# Altium PCB Avalon_BP.PcbDoc
Units mil, origin at the board's own origin, x right, y up, seen from the top; angles counter-clockwise.
Board outline 12510.61 x 1710.61 mil, 2 copper layers (Top Layer, Bottom Layer); 17 components, 36 nets, 221 pads, 68 vias.
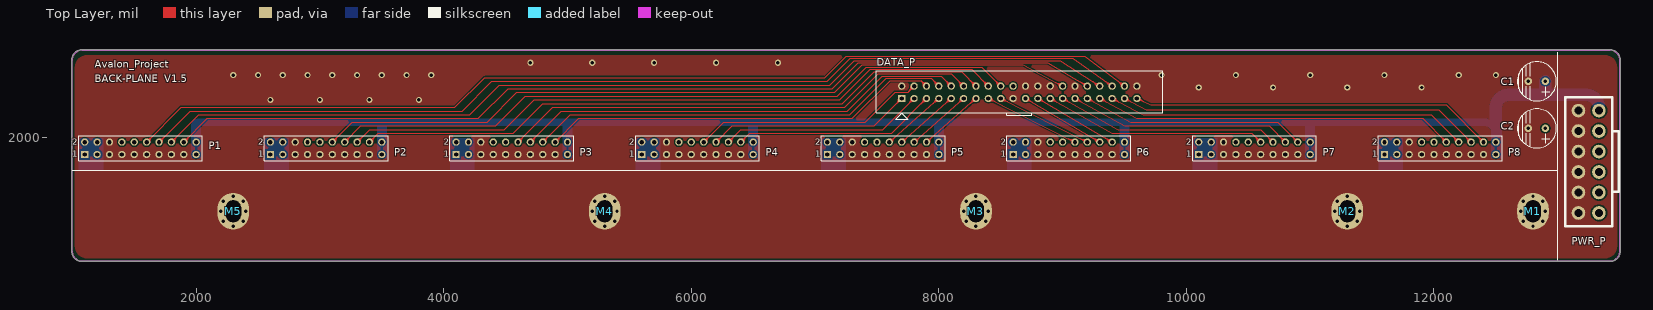
[diagram p0: Top Layer view]
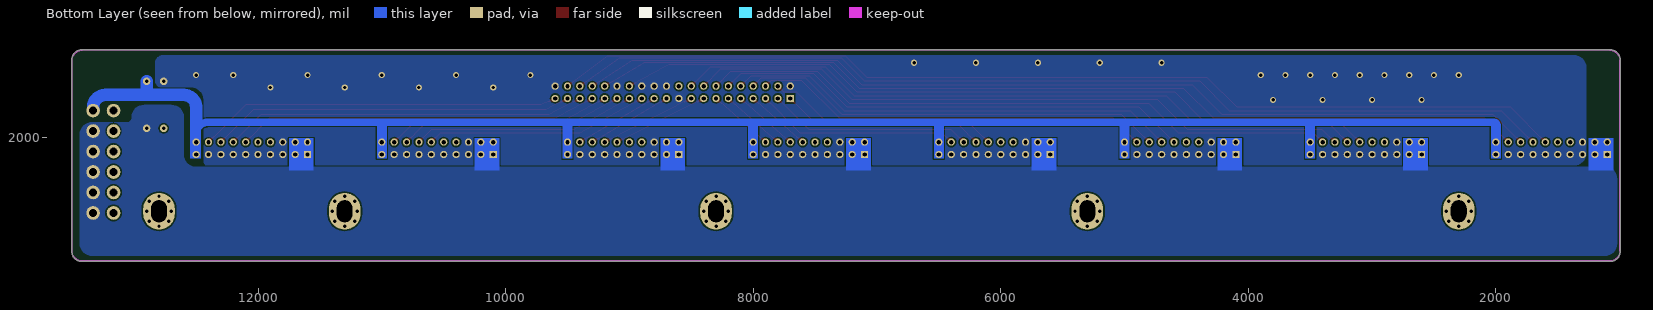
[diagram p1: Bottom Layer view, seen from below]

## Layer stack, top to bottom
Top Layer: signal copper 1.4
Dielectric: dielectric 12.6, FR-4, Dk 4.8
Bottom Layer: signal copper 1.4

## Board outline
1078.45,994.98 ccw(c1078.45,999.99) 1079.25,995.04 ccw(c1080,1000) 1080,994.99 13419.58,994.99 ccw(c13421.27,999.71) 13421.27,994.69 ccw(c13421.27,1078.45) 13505.02,1078.45 ccw(c13500.01,1078.45) 13504.96,1079.25 ccw(c13500,1080) 13505.01,1080 13505.01,2619.58 ccw(c13500.29,2621.27) 13505.31,2621.27 ccw(c13421.55,2621.27) 13421.55,2705.02 ccw(c13421.55,2700.01) 13421.27,2705.01 1080.42,2705.01 ccw(c1078.73,2700.29) 1078.73,2705.31 ccw(c1078.73,2621.55) 994.98,2621.55 ccw(c999.99,2621.55) 994.99,2621.27 994.99,1080.42 ccw(c999.71,1078.73) 994.69,1078.73 ccw(c1078.45,1078.73)

## Design rules (kind name [scope] priority, off if disabled: settings)
Clearance Clearance_6 [InNamedPolygon('B12V')] p1: gap=12
Clearance Clearance_5 [InNamedPolygon('TG1')] p2: gap=12
Clearance Clearance_4 [InNamedPolygon('BG1')] p3: gap=12
Clearance Clearance_3 [InNamedPolygon('B3V')] p4: gap=8
Clearance Clearance_2 [InNamedPolygon('B12V')] p5: gap=10
Clearance Clearance_1 [InNamedPolygon('TG1')] p6: gap=10
Clearance [All] p7: gap=10
ComponentClearance [All] p1: gap=1 collisioncheckmode=3 verticalgap=100000 showdistances=FALSE
HoleSize [All] p1: absolutevalues=TRUE maxlimit=10000 minlimit=1 maxpercent=80.000 minpercent=20.000
PolygonConnect PolygonConnect_4 [All vs IsNamedPolygon('BG1')] p1: connectstyle=Direct reliefconductorwidth=10 reliefentries=4 polygonreliefangle="90 Angle" airgapwidth=10
PolygonConnect PolygonConnect_3 [All vs IsNamedPolygon('B3V')] p2: connectstyle=Direct reliefconductorwidth=10 reliefentries=4 polygonreliefangle="90 Angle" airgapwidth=10
PolygonConnect PolygonConnect_2 [All vs IsNamedPolygon('B12V')] p3: connectstyle=Direct reliefconductorwidth=10 reliefentries=4 polygonreliefangle="90 Angle" airgapwidth=10
PolygonConnect PolygonConnect_1 [All vs IsNamedPolygon('TG1')] p4: connectstyle=Direct reliefconductorwidth=10 reliefentries=4 polygonreliefangle="90 Angle" airgapwidth=10
PolygonConnect [All] p5: connectstyle=Relief reliefconductorwidth=10 reliefentries=4 polygonreliefangle="90 Angle" airgapwidth=10
RoutingVias [All] p1: holewidth=28 width=50 viastyle="Through Hole" minholewidth=28 minwidth=50 maxholewidth=28 maxwidth=50
SilkToSilkClearance [All] p1: silktosilkclearance=1
SilkscreenOverComponentPads [All] p1: minsilkscreentomaskgap=1
SolderMaskExpansion [All] p1: expansion=4
Width [All] p1: maxlimit=1000 minlimit=8 preferedwidth=8 minimp=50.000000 maximp=50.000000 favimp=50.000000
24 further rules are at their usual default settings.

## Classes and differential pairs
component class BP: C1 C2 M1 M2 M3 M4 M5 P1 P2 P3 P4 P5 P6 P7 P8 PWR_P

## Components (designator, comment, footprint, x,y, rotation, side; value= is the part's Value field where it differs from the comment)
C1 "470uF/6V" CAP8X8 12760,2450 r270 top
C2 "270uF/16V" CAP8X8 12760,2070 r270 top
DATA_P "Header 20X2" IDE40 8650,2363.31 r180 top
M1 "Mount Hole" MHOLE3 12800,1400 r0 top
M2 "Mount Hole" MHOLE3 11300,1400 r0 top
M3 "Mount Hole" MHOLE3 8300,1400 r0 top
M4 "Mount Hole" MHOLE3 5300,1400 r0 top
M5 "Mount Hole" MHOLE3 2300,1400 r0 top
P1 "Header 10X2" HDR2X10 1100,1859.06 r0 top locked
P2 "Header 10X2" HDR2X10 2600,1859.06 r0 top locked
P3 "Header 10X2" HDR2X10 4100,1859.06 r0 top locked
P4 "Header 10X2" HDR2X10 5600,1859.06 r0 top locked
P5 "Header 10X2" HDR2X10 7100,1859.06 r0 top locked
P6 "Header 10X2" HDR2X10 8600,1859.06 r0 top locked
P7 "Header 10X2" HDR2X10 10100,1859.06 r0 top locked
P8 "Header 10X2" HDR2X10 11600,1859.06 r0 top locked
PWR_P "PWR_12P" PWR_12PIN 13250,1800 r90 top

## Footprints (in the part's own frame and the unit in brackets; to place one, negate y for a bottom-side part, rotate by r counter-clockwise, add the part's x,y. Pads: shape width x height; smd on the part's side, far side on the other; paste and mask are expansions set on the pad)
CAP8X8 [mil]
  round 60 hole 30: 1(0,140) 2(0,2.2)
  silkscreen extent -157,-86 157,229
HDR2X10 [mm] "Connector; Header; 10x2 Position"
  rect 1.5x1.5 hole 0.9: 1(0,0)
  round 1.5 hole 0.9: 2(0,2.54) 3(2.54,0) 4(2.54,2.54) 5(5.08,0) 6(5.08,2.54) 7(7.62,0) 8(7.62,2.54) 9(10.16,0) 10(10.16,2.54) 11(12.7,0) 12(12.7,2.54) 13(15.24,0) 14(15.24,2.54) 15(17.78,0) 16(17.78,2.54) 17(20.32,0) 18(20.32,2.54) 19(22.86,0) 20(22.86,2.54)
  silkscreen extent -1.27,-1.27 24.13,3.81
IDE40 [mm] "Connector; Header; 20x2 Position"
  rect 1.5x1.5 hole 0.9: 1(24.13,1.321)
  round 1.5 hole 0.9: 2(24.13,-1.219) 3(21.59,1.321) 4(21.59,-1.219) 5(19.05,1.321) 6(19.05,-1.219) 7(16.51,1.321) 8(16.51,-1.219) 9(13.97,1.321) 10(13.97,-1.219) 11(11.43,1.321) 12(11.43,-1.219) 13(8.89,1.321) 14(8.89,-1.219) 15(6.35,1.321) 16(6.35,-1.219) 17(3.81,1.321) 18(3.81,-1.219) 19(1.27,1.321) 20(1.27,-1.219) 21(-1.27,1.321) 22(-1.27,-1.219) 23(-3.81,1.321) 24(-3.81,-1.219) 25(-6.35,1.321) 26(-6.35,-1.219) 27(-8.89,1.321) 28(-8.89,-1.219) 29(-11.43,1.321) 30(-11.43,-1.219) 31(-13.97,1.321) 32(-13.97,-1.219) 33(-16.51,1.321) 34(-16.51,-1.219) 35(-19.05,1.321) 36(-19.05,-1.219) 37(-21.59,1.321) 38(-21.59,-1.219) 39(-24.13,1.321) 40(-24.13,-1.219)
  silkscreen extent -29.4,-4.32 29.4,5.59, body extent -29.5,-4.42 29.5,5.72
MHOLE3 [mm]
  oval 6.5x7.5 hole 3.2 slot 4.5 at 90 deg unplated: 0(0,0)
PWR_12PIN [mm]
  round 2.8 hole 1.6: 1(-10.5,2.1) 2(-6.3,2.1) 3(-2.1,2.1) 4(2.1,2.1) 5(6.3,2.1) 6(10.5,2.1) 7(-10.5,-2.1) 8(-6.3,-2.1) 9(-2.1,-2.1) 10(2.1,-2.1) 11(6.3,-2.1) 12(10.5,-2.1)
  silkscreen extent -13.2,-6.17 13.2,4.8, body extent -13.2,-4.8 13.2,4.8, height 13

## Part data
C1 C2: library part "Cap Pol3", "Polarized Capacitor (Surface Mount)"
DATA_P: "Header, 20-Pin, Dual row"
M1 M2 M3 M4 M5: library part M_Hole
P1 P2 P3 P4 P5 P6 P7 P8: "Header, 10-Pin, Dual row"

## Via types
v1: diameter 50, hole 28, Top Layer to Bottom Layer, 40 vias
v2: diameter 50, hole 28, Top Layer to Bottom Layer, tented both sides, 28 vias

## Nets (pads, with @x,y where several pads share a name; then routed paths per layer and width w, separated by ;. In a path a pad name is that pad's centre, name@x,y a point inside that pad or via, vN(x,y) a via of type N, cw(c..) or ccw(c..) an arc to the next point about the centre after c; other vN are vias at no path point)
CONFIG_N1: DATA_P.34 P1.16 | length 8160.4
  Top Layer w8: P1.16 2020.94,2180 4210,2180 4450,2420 7120,2420 7318,2618 8980,2618 DATA_P.34 ; P1.16@1800,1976.58 ccw(c1800,2018.9) 1829.92,1988.98 ccw(c1859.84,1959.06) P1.16@1817.53,1959.06 ; P1.16@1800,1984.58 ccw(c1800,2046.21) 1843.58,2002.63 ccw(c1887.16,1959.06) P1.16@1825.53,1959.06 ; DATA_P.34@9275.04,2405.94 ccw(c9214.79,2392.98) 9248.23,2444.75 ccw(c9281.67,2496.51) DATA_P.34@9294.63,2436.26 ; DATA_P.34@9282.86,2407.62 ccw(c9241.5,2398.72) 9264.45,2434.27 ccw(c9287.41,2469.81) DATA_P.34@9296.31,2428.44
CONFIG_N2: DATA_P.16 P2.16 | length 5725.5
  Top Layer w8: P2.16 3400.95,2060 4490,2060 4730,2300 7200,2300 7446,2546 8265.31,2546 DATA_P.16 ; P2.16@3300,1976.58 ccw(c3300,2018.9) 3329.92,1988.98 ccw(c3359.84,1959.06) P2.16@3317.53,1959.06 ; P2.16@3300,1984.58 ccw(c3300,2046.21) 3343.58,2002.63 ccw(c3387.16,1959.06) P2.16@3325.53,1959.06 ; DATA_P.16@8374.47,2411.31 ccw(c8312.84,2411.31) 8356.42,2454.89 ccw(c8400,2498.46) DATA_P.16@8400,2436.83 ; DATA_P.16@8382.47,2411.31 ccw(c8340.16,2411.31) 8370.08,2441.23 ccw(c8400,2471.15) DATA_P.16@8400,2428.83
CONFIG_N3: DATA_P.8 P3.16 | length 3765.8
  Top Layer w8: P3.16 5020.94,2180 7280,2180 7574,2474 7937.31,2474 DATA_P.8 ; P3.16@4800,1976.58 ccw(c4800,2018.9) 4829.92,1988.98 ccw(c4859.84,1959.06) P3.16@4817.53,1959.06 ; P3.16@4800,1984.58 ccw(c4800,2046.21) 4843.58,2002.63 ccw(c4887.16,1959.06) P3.16@4825.53,1959.06 ; DATA_P.8@7974.47,2411.31 ccw(c7912.84,2411.31) 7956.42,2454.89 ccw(c8000,2498.46) DATA_P.8@8000,2436.83 ; DATA_P.8@7982.47,2411.31 ccw(c7940.16,2411.31) 7970.08,2441.23 ccw(c8000,2471.15) DATA_P.8@8000,2428.83
CONFIG_N4: DATA_P.3 P4.16 | length 1972.5
  Top Layer w8: P4.16 6400.94,2060 7548.69,2060 DATA_P.3 ; P4.16@6300,1976.58 ccw(c6300,2018.9) 6329.92,1988.98 ccw(c6359.84,1959.06) P4.16@6317.53,1959.06 ; P4.16@6300,1984.58 ccw(c6300,2046.21) 6343.58,2002.63 ccw(c6387.16,1959.06) P4.16@6325.53,1959.06 ; DATA_P.3@7774.47,2311.31 cw(c7712.84,2311.31) 7756.42,2267.73 cw(c7800,2224.15) DATA_P.3@7800,2285.78 ; DATA_P.3@7782.47,2311.31 cw(c7740.16,2311.31) 7770.08,2281.39 cw(c7800,2251.46) DATA_P.3@7800,2293.78
CONFIG_N5: DATA_P.11 P5.16 | length 859.5
  Top Layer w8: P5.16 DATA_P.11 ; P5.16@7801.11,1976.55 ccw(c7803.79,2018.78) 7831.76,1987.02 ccw(c7859.72,1955.26) P5.16@7817.49,1957.94 ; P5.16@7801.62,1984.53 ccw(c7805.52,2046.04) 7846.25,1999.79 ccw(c7886.98,1953.53) P5.16@7825.48,1957.44 ; DATA_P.11@8174.52,2312.92 cw(c8113.02,2316.83) 8153.75,2270.58 cw(c8194.48,2224.33) DATA_P.11@8198.38,2285.83 ; DATA_P.11@8182.51,2312.42 cw(c8140.28,2315.1) 8168.24,2283.34 cw(c8196.21,2251.58) DATA_P.11@8198.89,2293.81
CONFIG_N6: DATA_P.21 P6.16 | length 1022.3
  Top Layer w8: DATA_P.21 P6.16 ; DATA_P.21@8704.41,2294.34 cw(c8715.07,2253.39) 8736.49,2289.88 cw(c8757.91,2326.37) DATA_P.21@8716.96,2315.72 ; DATA_P.21@8706.43,2286.6 cw(c8721.94,2226.96) 8753.15,2280.11 cw(c8784.35,2333.25) DATA_P.21@8724.71,2317.73 ; P6.16@9275.29,1952.63 ccw(c9215.65,1937.11) 9246.85,1990.26 ccw(c9278.06,2043.4) P6.16@9293.57,1983.76 ; P6.16@9283.04,1954.64 ccw(c9242.09,1943.99) 9263.51,1980.48 ccw(c9284.93,2016.97) P6.16@9295.59,1976.02
CONFIG_N7: DATA_P.29 P7.16 | length 2137.9
  Top Layer w8: DATA_P.29 9500,2090 10669.06,2090 P7.16 ; DATA_P.29@9104.84,2294.46 cw(c9116.54,2253.8) 9137.03,2290.82 cw(c9157.51,2327.85) DATA_P.29@9116.84,2316.15 ; DATA_P.29@9107.06,2286.77 cw(c9124.09,2227.55) 9153.93,2281.47 cw(c9183.76,2335.4) DATA_P.29@9124.53,2318.36 ; P7.16@10774.47,1959.06 ccw(c10712.84,1959.06) 10756.42,2002.63 ccw(c10800,2046.21) P7.16@10800,1984.58 ; P7.16@10782.47,1959.06 ccw(c10740.16,1959.06) 10770.08,1988.98 ccw(c10800,2018.9) P7.16@10800,1976.58
CONFIG_N8: DATA_P.37 P8.16 | length 3257
  Top Layer w8: DATA_P.37 9675,2220 12039.06,2220 P8.16 ; DATA_P.37@9505.25,2294.59 cw(c9517.94,2254.22) 9537.52,2291.73 cw(c9557.09,2329.25) DATA_P.37@9516.72,2316.56 ; DATA_P.37@9507.65,2286.95 cw(c9526.13,2228.16) 9554.64,2282.8 cw(c9583.15,2337.44) DATA_P.37@9524.35,2318.96 ; P8.16@12274.47,1959.06 ccw(c12212.84,1959.06) 12256.42,2002.63 ccw(c12300,2046.21) P8.16@12300,1984.58 ; P8.16@12282.47,1959.06 ccw(c12240.16,1959.06) 12270.08,1988.98 ccw(c12300,2018.9) P8.16@12300,1976.58
CONFIG_P1: DATA_P.32 P1.18 | length 7943.5
  Top Layer w8: P1.18 2090.95,2150 4280,2150 4520,2390 7140,2390 7350,2600 8880,2600 DATA_P.32 ; P1.18@1900,1976.58 ccw(c1900,2018.9) 1929.92,1988.98 ccw(c1959.84,1959.06) P1.18@1917.53,1959.06 ; P1.18@1900,1984.58 ccw(c1900,2046.21) 1943.58,2002.63 ccw(c1987.16,1959.06) P1.18@1925.53,1959.06 ; DATA_P.32@9175.28,2404.93 ccw(c9115.61,2389.52) 9146.91,2442.61 ccw(c9178.22,2495.7) DATA_P.32@9193.62,2436.02 ; DATA_P.32@9183.03,2406.93 ccw(c9142.06,2396.35) 9163.55,2432.8 ccw(c9185.04,2469.25) DATA_P.32@9195.62,2428.28
CONFIG_P2: DATA_P.14 P2.18 | length 5510.5
  Top Layer w8: P2.18 3470.95,2030 4560,2030 4800,2270 7220,2270 7478,2528 8183.31,2528 DATA_P.14 ; P2.18@3400,1976.58 ccw(c3400,2018.9) 3429.92,1988.98 ccw(c3459.84,1959.06) P2.18@3417.53,1959.06 ; P2.18@3400,1984.58 ccw(c3400,2046.21) 3443.58,2002.63 ccw(c3487.16,1959.06) P2.18@3425.53,1959.06 ; DATA_P.14@8274.47,2411.31 ccw(c8212.84,2411.31) 8256.42,2454.89 ccw(c8300,2498.46) DATA_P.14@8300,2436.83 ; DATA_P.14@8282.47,2411.31 ccw(c8240.16,2411.31) 8270.08,2441.23 ccw(c8300,2471.15) DATA_P.14@8300,2428.83
CONFIG_P3: DATA_P.6 P3.18 | length 3550.9
  Top Layer w8: P3.18 5090.94,2150 7300,2150 7606,2456 7855.31,2456 DATA_P.6 ; P3.18@4900,1976.58 ccw(c4900,2018.9) 4929.92,1988.98 ccw(c4959.84,1959.06) P3.18@4917.53,1959.06 ; P3.18@4900,1984.58 ccw(c4900,2046.21) 4943.58,2002.63 ccw(c4987.16,1959.06) P3.18@4925.53,1959.06 ; DATA_P.6@7874.47,2411.31 ccw(c7812.84,2411.31) 7856.42,2454.89 ccw(c7900,2498.46) DATA_P.6@7900,2436.83 ; DATA_P.6@7882.47,2411.31 ccw(c7840.16,2411.31) 7870.08,2441.23 ccw(c7900,2471.15) DATA_P.6@7900,2428.83
CONFIG_P4: DATA_P.5 P4.18 | length 1972.5
  Top Layer w8: P4.18 6470.94,2030 7618.69,2030 DATA_P.5 ; P4.18@6400,1976.58 ccw(c6400,2018.9) 6429.92,1988.98 ccw(c6459.84,1959.06) P4.18@6417.53,1959.06 ; P4.18@6400,1984.58 ccw(c6400,2046.21) 6443.58,2002.63 ccw(c6487.16,1959.06) P4.18@6425.53,1959.06 ; DATA_P.5@7874.47,2311.31 cw(c7812.84,2311.31) 7856.42,2267.73 cw(c7900,2224.15) DATA_P.5@7900,2285.78 ; DATA_P.5@7882.47,2311.31 cw(c7840.16,2311.31) 7870.08,2281.39 cw(c7900,2251.46) DATA_P.5@7900,2293.78
CONFIG_P5: DATA_P.13 P5.18 | length 859.5
  Top Layer w8: P5.18 DATA_P.13 ; P5.18@7901.11,1976.55 ccw(c7903.79,2018.78) 7931.76,1987.02 ccw(c7959.72,1955.26) P5.18@7917.49,1957.94 ; P5.18@7901.62,1984.53 ccw(c7905.52,2046.04) 7946.25,1999.79 ccw(c7986.98,1953.53) P5.18@7925.48,1957.44 ; DATA_P.13@8274.52,2312.92 cw(c8213.02,2316.83) 8253.75,2270.58 cw(c8294.48,2224.33) DATA_P.13@8298.38,2285.83 ; DATA_P.13@8282.51,2312.42 cw(c8240.28,2315.1) 8268.24,2283.34 cw(c8296.21,2251.58) DATA_P.13@8298.89,2293.81
CONFIG_P6: DATA_P.23 P6.18 | length 1022.3
  Top Layer w8: DATA_P.23 P6.18 ; DATA_P.23@8804.41,2294.34 cw(c8815.07,2253.39) 8836.49,2289.88 cw(c8857.91,2326.37) DATA_P.23@8816.96,2315.72 ; DATA_P.23@8806.43,2286.6 cw(c8821.94,2226.96) 8853.15,2280.11 cw(c8884.35,2333.25) DATA_P.23@8824.71,2317.73 ; P6.18@9375.29,1952.63 ccw(c9315.65,1937.11) 9346.85,1990.26 ccw(c9378.06,2043.4) P6.18@9393.57,1983.76 ; P6.18@9383.04,1954.64 ccw(c9342.09,1943.99) 9363.51,1980.48 ccw(c9384.93,2016.97) P6.18@9395.59,1976.02
CONFIG_P7: DATA_P.31 P7.18 | length 2142.1
  Top Layer w8: DATA_P.31 9550,2120 10739.06,2120 P7.18 ; DATA_P.31@9204.93,2294.49 cw(c9216.84,2253.88) 9237.13,2291.01 cw(c9257.43,2328.14) DATA_P.31@9216.82,2316.24 ; DATA_P.31@9207.18,2286.81 cw(c9224.52,2227.67) 9254.08,2281.75 cw(c9283.64,2335.83) DATA_P.31@9224.5,2318.49 ; P7.18@10874.47,1959.06 ccw(c10812.84,1959.06) 10856.42,2002.63 ccw(c10900,2046.21) P7.18@10900,1984.58 ; P7.18@10882.47,1959.06 ccw(c10840.16,1959.06) 10870.08,1988.98 ccw(c10900,2018.9) P7.18@10900,1976.58
CONFIG_P8: DATA_P.39 P8.18 | length 3262.6
  Top Layer w8: DATA_P.39 9710,2260 12099.06,2260 P8.18 ; DATA_P.39@9605.99,2294.84 cw(c9620.46,2255.07) 9638.35,2293.42 cw(c9656.24,2331.77) DATA_P.39@9616.47,2317.3 ; DATA_P.39@9608.73,2287.32 cw(c9629.8,2229.4) 9655.85,2285.26 cw(c9681.9,2341.11) DATA_P.39@9623.99,2320.04 ; P8.18@12374.47,1959.06 ccw(c12312.84,1959.06) 12356.42,2002.63 ccw(c12400,2046.21) P8.18@12400,1984.58 ; P8.18@12382.47,1959.06 ccw(c12340.16,1959.06) 12370.08,1988.98 ccw(c12400,2018.9) P8.18@12400,1976.58
GND: C1.2 C2.2 DATA_P.2 DATA_P.19 DATA_P.22 DATA_P.24 DATA_P.26 DATA_P.30 DATA_P.40 M1.0 M2.0 M3.0 M4.0 M5.0 P1.5 P1.6 P1.7 P1.9 P1.11 P1.13 P1.15 P1.17 P2.5 P2.6 P2.7 P2.9 P2.11 P2.13 P2.15 P2.17 P3.5 P3.6 P3.7 P3.9 P3.11 P3.13 P3.15 P3.17 P4.5 P4.6 P4.7 P4.9 P4.11 P4.13 P4.15 P4.17 P5.5 P5.6 P5.7 P5.9 P5.11 P5.13 P5.15 P5.17 P6.5 P6.6 P6.7 P6.9 P6.11 P6.13 P6.15 P6.17 P7.5 P7.6 P7.7 P7.9 P7.11 P7.13 P7.15 P7.17 P8.5 P8.6 P8.7 P8.9 P8.11 P8.13 P8.15 P8.17 PWR_P.1 PWR_P.2 PWR_P.3 PWR_P.4 PWR_P.5 PWR_P.6
  other v1: 2300,1280 5300,1280 8300,1280 11300,1280 12800,1280 2220,1320 2380,1320 5220,1320 5380,1320 8220,1320 8380,1320 11220,1320 11380,1320 12720,1320 12880,1320 2200,1400 2400,1400 5200,1400 5400,1400 8200,1400 8400,1400 11200,1400 11400,1400 12700,1400 12900,1400 2220,1480 2380,1480 5220,1480 5380,1480 8220,1480 8380,1480 11220,1480 11380,1480 12720,1480 12880,1480 2300,1520 5300,1520 8300,1520 11300,1520 12800,1520
  other v2: 2600,2300 3000,2300 3400,2300 3800,2300 10100,2400 10700,2400 11300,2400 11900,2400 2300,2500 2500,2500 2700,2500 2900,2500 3100,2500 3300,2500 3500,2500 3700,2500 3900,2500 9800,2500 10400,2500 11000,2500 11600,2500 12200,2500 12500,2500 4700,2600 5200,2600 5700,2600 6200,2600 6700,2600
NC: DATA_P.20
REPORT_N1: DATA_P.36 P1.14 | length 8378
  Top Layer w8: P1.14 1950.94,2210 4150,2210 4390,2450 7100,2450 7286,2636 9080,2636 DATA_P.36 ; P1.14@1700,1976.58 ccw(c1700,2018.9) 1729.92,1988.98 ccw(c1759.84,1959.06) P1.14@1717.53,1959.06 ; P1.14@1700,1984.58 ccw(c1700,2046.21) 1743.58,2002.63 ccw(c1787.16,1959.06) P1.14@1725.53,1959.06 ; DATA_P.36@9374.85,2406.91 ccw(c9314.15,2396.29) 9349.56,2446.72 ccw(c9384.98,2497.16) DATA_P.36@9395.6,2436.45 ; DATA_P.36@9382.73,2408.29 ccw(c9341.05,2400.99) 9365.37,2435.62 ccw(c9389.69,2470.25) DATA_P.36@9396.98,2428.57
REPORT_N2: DATA_P.18 P2.14 | length 5940.4
  Top Layer w8: P2.14 3330.95,2090 4420,2090 4660,2330 7180,2330 7414,2564 8347.31,2564 DATA_P.18 ; P2.14@3200,1976.58 ccw(c3200,2018.9) 3229.92,1988.98 ccw(c3259.84,1959.06) P2.14@3217.53,1959.06 ; P2.14@3200,1984.58 ccw(c3200,2046.21) 3243.58,2002.63 ccw(c3287.16,1959.06) P2.14@3225.53,1959.06 ; DATA_P.18@8474.47,2411.31 ccw(c8412.84,2411.31) 8456.42,2454.89 ccw(c8500,2498.46) DATA_P.18@8500,2436.83 ; DATA_P.18@8482.47,2411.31 ccw(c8440.16,2411.31) 8470.08,2441.23 ccw(c8500,2471.15) DATA_P.18@8500,2428.83
REPORT_N3: DATA_P.10 P3.14 | length 3980.7
  Top Layer w8: P3.14 4950.94,2210 7260,2210 7542,2492 8019.31,2492 DATA_P.10 ; P3.14@4700,1976.58 ccw(c4700,2018.9) 4729.92,1988.98 ccw(c4759.84,1959.06) P3.14@4717.53,1959.06 ; P3.14@4700,1984.58 ccw(c4700,2046.21) 4743.58,2002.63 ccw(c4787.16,1959.06) P3.14@4725.53,1959.06 ; DATA_P.10@8074.47,2411.31 ccw(c8012.84,2411.31) 8056.42,2454.89 ccw(c8100,2498.46) DATA_P.10@8100,2436.83 ; DATA_P.10@8082.47,2411.31 ccw(c8040.16,2411.31) 8070.08,2441.23 ccw(c8100,2471.15) DATA_P.10@8100,2428.83
REPORT_N4: DATA_P.1 P4.14 | length 1972.5
  Top Layer w8: P4.14 6330.94,2090 7478.69,2090 DATA_P.1 ; P4.14@6200,1976.58 ccw(c6200,2018.9) 6229.92,1988.98 ccw(c6259.84,1959.06) P4.14@6217.53,1959.06 ; P4.14@6200,1984.58 ccw(c6200,2046.21) 6243.58,2002.63 ccw(c6287.16,1959.06) P4.14@6225.53,1959.06 ; DATA_P.1@7674.47,2311.31 cw(c7612.84,2311.31) 7656.42,2267.73 cw(c7700,2224.15) DATA_P.1@7700,2285.78 ; DATA_P.1@7682.47,2311.31 cw(c7640.16,2311.31) 7670.08,2281.39 cw(c7700,2251.46) DATA_P.1@7700,2293.78
REPORT_N5: DATA_P.9 P5.14 | length 859.5
  Top Layer w8: P5.14 DATA_P.9 ; P5.14@7701.11,1976.55 ccw(c7703.79,2018.78) 7731.76,1987.02 ccw(c7759.72,1955.26) P5.14@7717.49,1957.94 ; P5.14@7701.62,1984.53 ccw(c7705.52,2046.04) 7746.25,1999.79 ccw(c7786.98,1953.53) P5.14@7725.48,1957.44 ; DATA_P.9@8074.52,2312.92 cw(c8013.02,2316.83) 8053.75,2270.58 cw(c8094.48,2224.33) DATA_P.9@8098.38,2285.83 ; DATA_P.9@8082.51,2312.42 cw(c8040.28,2315.1) 8068.24,2283.34 cw(c8096.21,2251.58) DATA_P.9@8098.89,2293.81
REPORT_N6: DATA_P.17 P6.14 | length 1110.2
  Top Layer w8: DATA_P.17 P6.14 ; DATA_P.17@8505.5,2294.66 cw(c8518.78,2254.49) 8537.8,2292.29 cw(c8556.82,2330.08) DATA_P.17@8516.64,2316.81 ; DATA_P.17@8508.01,2287.07 cw(c8527.35,2228.55) 8555.05,2283.6 cw(c8582.75,2338.66) DATA_P.17@8524.24,2319.32 ; P6.14@9175.76,1951.04 ccw(c9117.25,1931.71) 9144.95,1986.76 ccw(c9172.65,2041.81) P6.14@9191.99,1983.29 ; P6.14@9183.36,1953.56 ccw(c9143.18,1940.28) 9162.2,1978.08 ccw(c9181.22,2015.88) P6.14@9194.5,1975.7
REPORT_N7: DATA_P.27 P7.14 | length 2133.8
  Top Layer w8: DATA_P.27 9450,2060 10599.06,2060 P7.14 ; DATA_P.27@9004.78,2294.44 cw(c9016.31,2253.73) 9036.94,2290.68 ; DATA_P.27@9006.96,2286.75 cw(c9023.76,2227.45) 9053.81,2281.26 cw(c9083.86,2335.06) DATA_P.27@9024.56,2318.27 ; DATA_P.27@9016.86,2316.08 ccw(c9057.58,2327.62) 9036.94,2290.67 ; P7.14@10674.47,1959.06 ccw(c10612.84,1959.06) 10656.42,2002.63 ccw(c10700,2046.21) P7.14@10700,1984.58 ; P7.14@10682.47,1959.06 ccw(c10640.16,1959.06) 10670.08,1988.98 ccw(c10700,2018.9) P7.14@10700,1976.58
REPORT_N8: DATA_P.35 P8.14 | length 3250.5
  Top Layer w8: DATA_P.35 9650,2180 11979.06,2180 P8.14 ; DATA_P.35@9405.21,2294.57 cw(c9417.79,2254.17) 9437.46,2291.63 cw(c9457.14,2329.09) DATA_P.35@9416.74,2316.52 ; DATA_P.35@9407.59,2286.93 cw(c9425.9,2228.09) 9454.56,2282.65 cw(c9483.22,2337.21) DATA_P.35@9424.37,2318.89 ; P8.14@12174.47,1959.06 ccw(c12112.84,1959.06) 12156.42,2002.63 ccw(c12200,2046.21) P8.14@12200,1984.58 ; P8.14@12182.47,1959.06 ccw(c12140.16,1959.06) 12170.08,1988.98 ccw(c12200,2018.9) P8.14@12200,1976.58
REPORT_P1: DATA_P.38 P1.12 | length 8596
  Top Layer w8: P1.12 1880.94,2240 4090,2240 4330,2480 7080,2480 7254,2654 9180,2654 DATA_P.38 ; P1.12@1600,1976.58 ccw(c1600,2018.9) 1629.92,1988.98 ccw(c1659.84,1959.06) P1.12@1617.53,1959.06 ; P1.12@1600,1984.58 ccw(c1600,2046.21) 1643.58,2002.63 ccw(c1687.16,1959.06) P1.12@1625.53,1959.06 ; DATA_P.38@9474.71,2407.83 ccw(c9413.65,2399.44) 9450.9,2448.55 ccw(c9488.14,2497.65) DATA_P.38@9496.53,2436.6 ; DATA_P.38@9482.64,2408.92 ccw(c9440.71,2403.16) 9466.28,2436.88 ccw(c9491.85,2470.59) DATA_P.38@9497.61,2428.67
REPORT_P2: DATA_P.28 P2.12 | length 6527.3
  Top Layer w8: P2.12 3260.95,2120 4350,2120 4590,2360 7160,2360 7382,2582 8680,2582 DATA_P.28 ; P2.12@3100,1976.58 ccw(c3100,2018.9) 3129.92,1988.98 ccw(c3159.84,1959.06) P2.12@3117.53,1959.06 ; P2.12@3100,1984.58 ccw(c3100,2046.21) 3143.58,2002.63 ccw(c3187.16,1959.06) P2.12@3125.53,1959.06 ; DATA_P.28@8975.58,2403.88 ccw(c8916.62,2385.94) 8945.62,2440.31 ccw(c8974.63,2494.69) DATA_P.28@8992.57,2435.73 ; DATA_P.28@8983.23,2406.2 ccw(c8942.75,2393.89) 8962.66,2431.22 ccw(c8982.58,2468.56) DATA_P.28@8994.9,2428.08
REPORT_P3: DATA_P.12 P3.12 | length 4195.6
  Top Layer w8: P3.12 4880.94,2240 7240,2240 7510,2510 8101.31,2510 DATA_P.12 ; P3.12@4600,1976.58 ccw(c4600,2018.9) 4629.92,1988.98 ccw(c4659.84,1959.06) P3.12@4617.53,1959.06 ; P3.12@4600,1984.58 ccw(c4600,2046.21) 4643.58,2002.63 ccw(c4687.16,1959.06) P3.12@4625.53,1959.06 ; DATA_P.12@8174.47,2411.31 ccw(c8112.84,2411.31) 8156.42,2454.89 ccw(c8200,2498.46) DATA_P.12@8200,2436.83 ; DATA_P.12@8182.47,2411.31 ccw(c8140.16,2411.31) 8170.08,2441.23 ccw(c8200,2471.15) DATA_P.12@8200,2428.83
REPORT_P4: DATA_P.4 P4.12 | length 2213.9
  Top Layer w8: P4.12 6260.94,2120 7405,2120 7648,2363 7751.69,2363 DATA_P.4 ; P4.12@6100,1976.58 ccw(c6100,2018.9) 6129.92,1988.98 ccw(c6159.84,1959.06) P4.12@6117.53,1959.06 ; P4.12@6100,1984.58 ccw(c6100,2046.21) 6143.58,2002.63 ccw(c6187.16,1959.06) P4.12@6125.53,1959.06 ; DATA_P.4@7774.47,2411.31 cw(c7712.84,2411.31) 7756.42,2367.73 cw(c7800,2324.15) DATA_P.4@7800,2385.78 ; DATA_P.4@7782.47,2411.31 cw(c7740.16,2411.31) 7770.08,2381.39 cw(c7800,2351.46) DATA_P.4@7800,2393.78
REPORT_P5: DATA_P.7 P5.12 | length 859.5
  Top Layer w8: P5.12 DATA_P.7 ; P5.12@7601.11,1976.55 ccw(c7603.79,2018.78) 7631.76,1987.02 ccw(c7659.72,1955.26) P5.12@7617.49,1957.94 ; P5.12@7601.62,1984.53 ccw(c7605.52,2046.04) 7646.25,1999.79 ccw(c7686.98,1953.53) P5.12@7625.48,1957.44 ; DATA_P.7@7974.52,2312.92 cw(c7913.02,2316.83) 7953.75,2270.58 cw(c7994.48,2224.33) DATA_P.7@7998.38,2285.83 ; DATA_P.7@7982.51,2312.42 cw(c7940.28,2315.1) 7968.24,2283.34 cw(c7996.21,2251.58) DATA_P.7@7998.89,2293.81
REPORT_P6: DATA_P.15 P6.12 | length 1110.2
  Top Layer w8: DATA_P.15 P6.12 ; DATA_P.15@8405.5,2294.66 cw(c8418.78,2254.49) 8437.8,2292.29 cw(c8456.82,2330.08) DATA_P.15@8416.64,2316.81 ; DATA_P.15@8408.01,2287.07 cw(c8427.35,2228.55) 8455.05,2283.6 cw(c8482.75,2338.66) DATA_P.15@8424.24,2319.32 ; P6.12@9075.76,1951.04 ccw(c9017.25,1931.71) 9044.95,1986.76 ccw(c9072.65,2041.81) P6.12@9091.99,1983.29 ; P6.12@9083.36,1953.56 ccw(c9043.18,1940.28) 9062.2,1978.08 ccw(c9081.22,2015.88) P6.12@9094.5,1975.7
REPORT_P7: DATA_P.25 P7.12 | length 2129.6
  Top Layer w8: DATA_P.25 9400,2030 10529.06,2030 P7.12 ; DATA_P.25@8904.72,2294.43 cw(c8916.13,2253.68) 8936.88,2290.56 cw(c8957.63,2327.44) DATA_P.25@8916.88,2316.03 ; DATA_P.25@8906.88,2286.72 cw(c8923.49,2227.38) 8953.71,2281.09 cw(c8983.93,2334.8) DATA_P.25@8924.58,2318.19 ; P7.12@10574.47,1959.06 ccw(c10512.84,1959.06) 10556.42,2002.63 ccw(c10600,2046.21) P7.12@10600,1984.58 ; P7.12@10582.47,1959.06 ccw(c10540.16,1959.06) 10570.08,1988.98 ccw(c10600,2018.9) P7.12@10600,1976.58
REPORT_P8: DATA_P.33 P8.12 | length 3246.3
  Top Layer w8: DATA_P.33 9600,2150 11909.06,2150 P8.12 ; DATA_P.33@9305.05,2294.52 cw(c9317.23,2254) 9337.27,2291.27 cw(c9357.31,2328.54) DATA_P.33@9316.79,2316.35 ; DATA_P.33@9307.35,2286.86 cw(c9325.09,2227.84) 9354.28,2282.12 cw(c9383.47,2336.4) DATA_P.33@9324.45,2318.66 ; P8.12@12074.47,1959.06 ccw(c12012.84,1959.06) 12056.42,2002.63 ccw(c12100,2046.21) P8.12@12100,1984.58 ; P8.12@12082.47,1959.06 ccw(c12040.16,1959.06) 12070.08,1988.98 ccw(c12100,2018.9) P8.12@12100,1976.58
VCC3V3: C1.1 P1.19 P1.20 P2.19 P2.20 P3.19 P3.20 P4.19 P4.20 P5.19 P5.20 P6.19 P6.20 P7.19 P7.20 P8.19 P8.20 PWR_P.12 | length 11858.6
  Bottom Layer w60: 1990,2090 cw(c2020,2090) 2020,2120 12400,2120 cw(c12400,2020) 12500,2020 P8.20
  Bottom Layer w100: 12500,2110 12500,2240 cw(c12600,2240) 12600,2340 12900,2340 ; C1.1 12900,2340 ; PWR_P.12 13332.68,2240 ccw(c13232.68,2240) 13232.68,2340 12900,2340
VCC12V: C2.1 P1.1 P1.2 P1.3 P1.4 P2.1 P2.2 P2.3 P2.4 P3.1 P3.2 P3.3 P3.4 P4.1 P4.2 P4.3 P4.4 P5.1 P5.2 P5.3 P5.4 P6.1 P6.2 P6.3 P6.4 P7.1 P7.2 P7.3 P7.4 P8.1 P8.2 P8.3 P8.4 PWR_P.7 PWR_P.8 PWR_P.9 PWR_P.10 PWR_P.11
pads on no net: P1.8 P1.10 P2.8 P2.10 P3.8 P3.10 P4.8 P4.10 P5.8 P5.10 P6.8 P6.10 P7.8 P7.10 P8.8 P8.10

## Polygon pours and split planes (outlines as drawn)
GND on Top Layer "TG1" (solid, remove dead copper, pour order 19): 13230,2660 13380,2660 cw(c13380,2560) 13480,2560 13480,2540 13480,1120 cw(c13380,1120) 13380,1020 13360,1020 1120,1020 cw(c1120,1120) 1020,1120 1020,1630 1020,2560 cw(c1120,2560) 1120,2660 13230,2660
VCC12V on Bottom Layer "B12V" (solid, pour order 9): 13340,2120 cw(c13340,2020) 13440,2020 13440,1840 13440,1140 cw(c13340,1140) 13340,1040 13300,1040 1120,1040 cw(c1120,1140) 1020,1140 1020,1660 cw(c1120,1660) 1120,1760 1140,1760 12500,1760 ccw(c12500,1860) 12600,1860 12600,1960 12600,2160 cw(c12700,2160) 12700,2260 12900,2260 12920,2260 cw(c12920,2160) 13020,2160 ccw(c13060,2160) 13060,2120 13340,2120
GND on Bottom Layer "BG1" (solid, pour order 17): 12660,2660 12770,2660 cw(c12770,2600) 12830,2600 12830,2450 cw(c12780,2450) 12780,2400 12540,2400 ccw(c12540,2300) 12440,2300 12440,2240 12440,1800 cw(c12410,1800) 12410,1770 1370,1770 cw(c1370,1870) 1270,1870 1270,2310 1270,2560 cw(c1370,2560) 1370,2660 12660,2660

## Keep-outs
Keep-Out Layer:
  lines w10: 999.71,1078.73 ccw(c1078.45,1078.73) 1078.45,999.99 13420,1000 ; 1000,1080 1000,2621.55 cw(c1078.73,2621.55) 1078.73,2700.29 ; 1078.73,2700 13421.55,2700 cw(c13421.55,2621.27) 13500.29,2621.27 ; 13421.27,999.71 ccw(c13421.27,1078.45) 13500.01,1078.45 ; 13500,1080 13500,2621.27

## Other copper
Bottom Layer:
  region net VCC3V3: 12550,2110 12460,2110 12460,1825 12550,1825
  rectangle net VCC12V: 1050,1731 1250,1990
  rectangle net VCC12V: 2550,1731 2750,1990
  rectangle net VCC12V: 4050,1731 4250,1990
  rectangle net VCC12V: 5550,1731 5750,1990
  rectangle net VCC12V: 7050,1731 7250,1990
  rectangle net VCC12V: 8550,1731 8750,1990
  rectangle net VCC12V: 10050,1731 10250,1990
  rectangle net VCC12V: 11550,1731 11750,1990
  region net VCC3V3: 11040,2100 10960,2100 10960,1825 11040,1825
  region net VCC3V3: 9540,2100 9460,2100 9460,1825 9540,1825
  region net VCC3V3: 8040,2100 7960,2100 7960,1825 8040,1825
  region net VCC3V3: 6540,2100 6460,2100 6460,1825 6540,1825
  region net VCC3V3: 5040,2100 4960,2100 4960,1825 5040,1825
  region net VCC3V3: 3540,2100 3460,2100 3460,1825 3540,1825
  region net VCC3V3: 2040,2100 1960,2100 1960,1825 2040,1825

## Silkscreen, mask and mechanical layers (free items; w line width, h text height)
Top Overlay:
  lines w10: 1000,1730 13000,1730 ; 13000,1005 13000,2685
  text "Avalon_Project" at 1181.1,2559.06 h60
  text "BACK-PLANE  V1.5" at 1181.1,2440.94 h60

## Text inside footprints (layer, text, board x,y; h text height)
P1: Top Overlay "1" at 1000,1839.06 h50; Top Overlay "2" at 1000,1939.06 h50
P2: Top Overlay "1" at 2500,1839.06 h50; Top Overlay "2" at 2500,1939.06 h50
P3: Top Overlay "1" at 4000,1839.06 h50; Top Overlay "2" at 4000,1939.06 h50
P4: Top Overlay "1" at 5500,1839.06 h50; Top Overlay "2" at 5500,1939.06 h50
P5: Top Overlay "1" at 7000,1839.06 h50; Top Overlay "2" at 7000,1939.06 h50
P6: Top Overlay "1" at 8500,1839.06 h50; Top Overlay "2" at 8500,1939.06 h50
P7: Top Overlay "1" at 10000,1839.06 h50; Top Overlay "2" at 10000,1939.06 h50
P8: Top Overlay "1" at 11500,1839.06 h50; Top Overlay "2" at 11500,1939.06 h50